# Altium PCB SJ2088POE.PcbDoc (part 1 of 6) (continued)
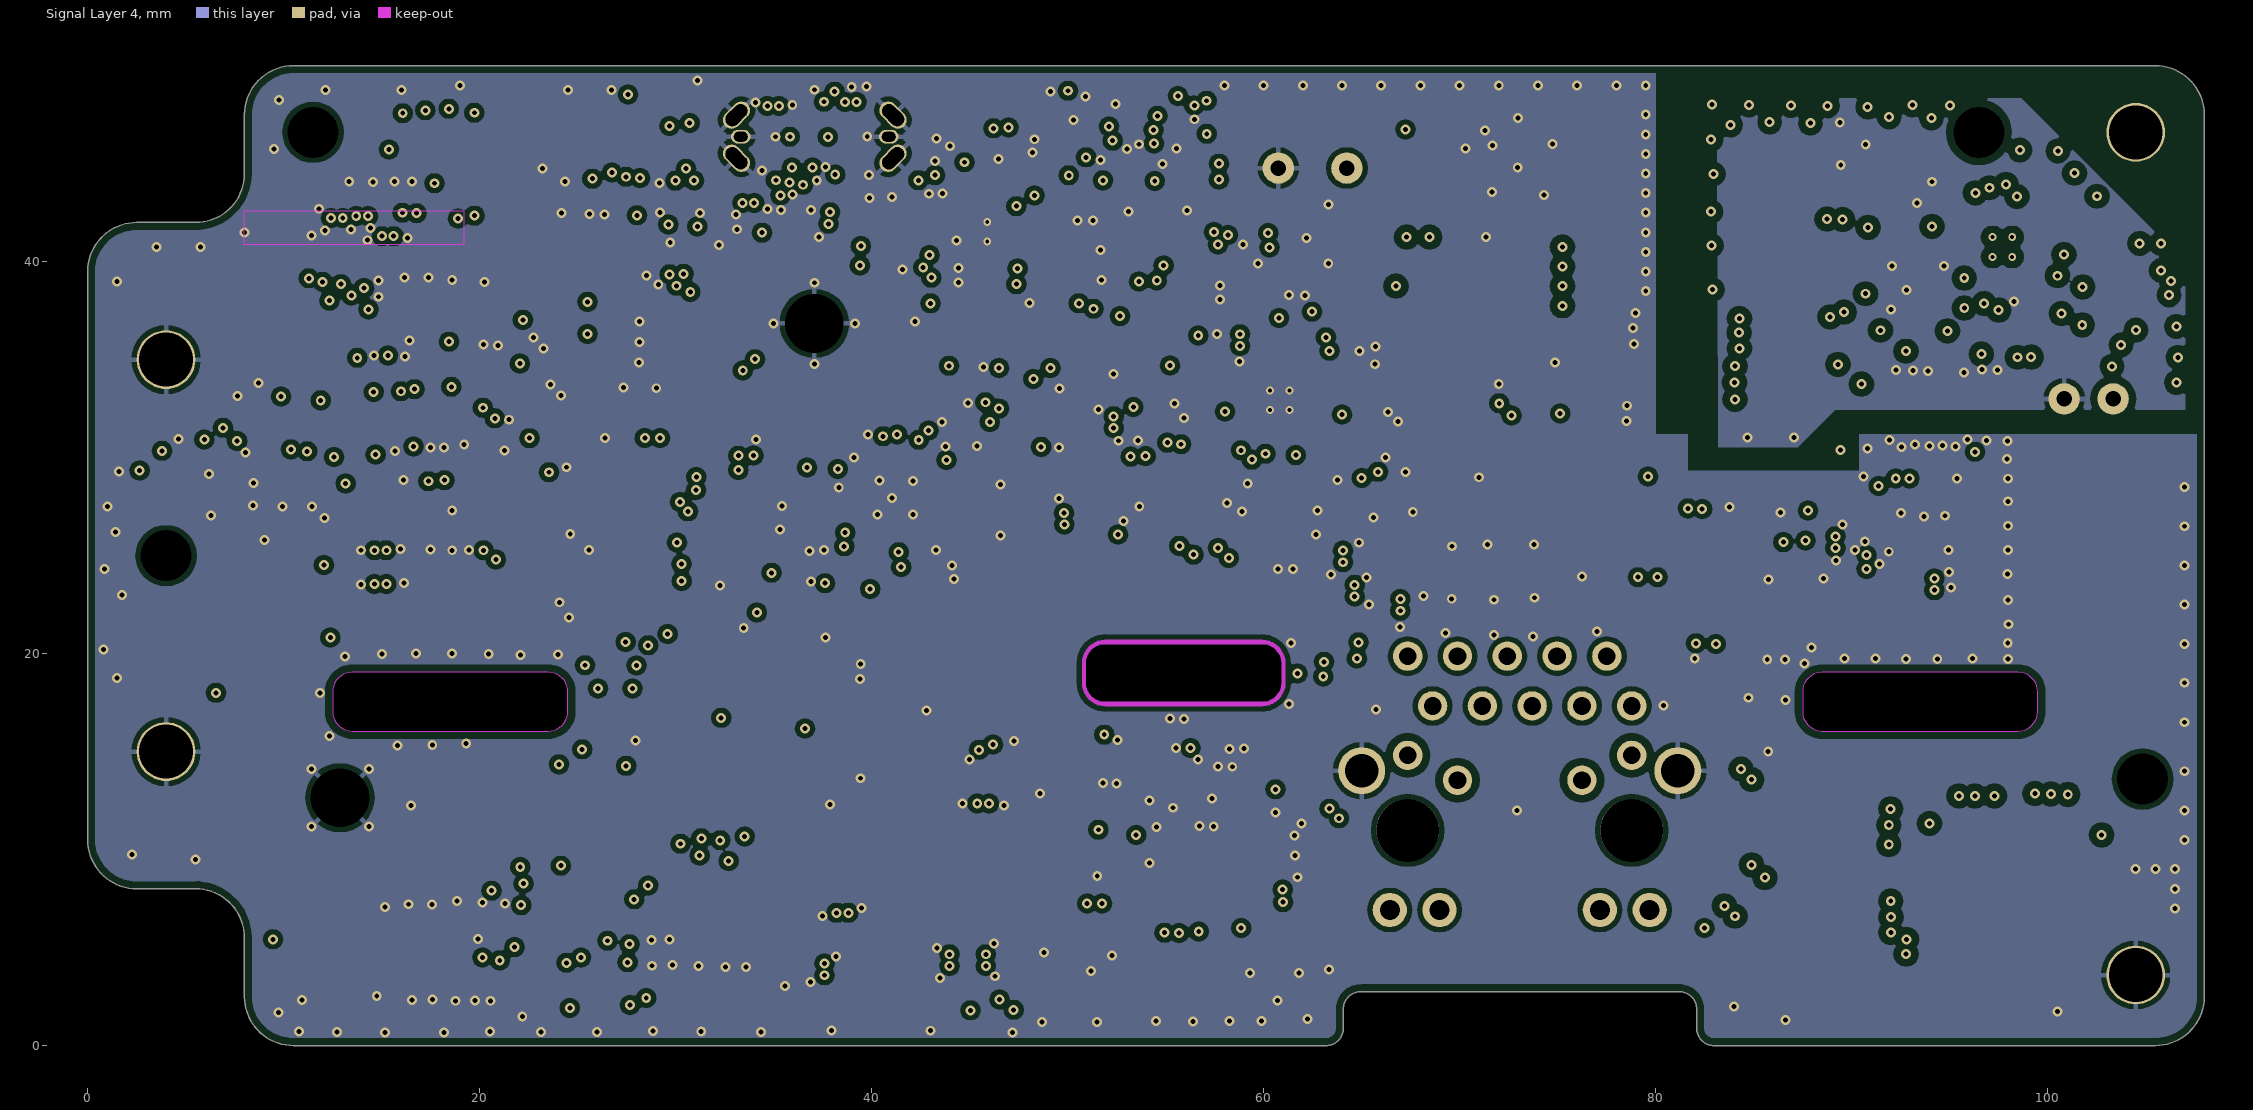
[diagram p5: Signal Layer 4]

## Layer stack, top to bottom
Top Mask: solder mask 0.015, Solder Resist, Dk 3.8
Top Copper: signal copper 0.035
Dielectric 1: prepreg 0.1, 2313, Dk 4.05
Signal Layer 1: signal copper 0.0175
Core 1: core 0.565, FR-4, Dk 4.5
Signal Layer 2: signal copper 0.0175
Dielectric 2: prepreg 0.127, 2116, Dk 4.25
Signal Layer 3: signal copper 0.0175
Core 2: core 0.565, FR-4, Dk 4.5
Signal Layer 4: signal copper 0.0175
Dielectric 3: prepreg 0.1, 2313, Dk 4.05
Bottom Copper: signal copper 0.035
Bottom Mask: solder mask 0.015, Solder Resist, Dk 3.8

## Board outline
2.5,8 5.5,8 cw(c5.5,5.5) 8,5.5 8,2.5 ccw(c10.5,2.5) 10.5,0 10.495,0 63.183,0 ccw(c63.183,0.887) 64.07,0.887 64.07,1.862 cw(c64.958,1.862) 64.958,2.749 81.211,2.749 cw(c81.211,1.862) 82.098,1.862 82.098,0.887 ccw(c82.986,0.887) 82.986,0 105.5,0 ccw(c105.5,2.5) 108,2.5 108,47.5 ccw(c105.5,47.5) 105.5,50 10.5,50 ccw(c10.5,47.5) 8,47.5 8,44.5 cw(c5.5,44.5) 5.5,42 2.5,42 ccw(c2.5,39.5) 0,39.5 0,10.5 ccw(c2.5,10.5)
cut-out: 23.5,16.05 ccw(c23.5,17.05) 24.5,17.05 24.5,18.05 ccw(c23.5,18.05) 23.5,19.05 13.5,19.05 ccw(c13.5,18.05) 12.5,18.05 12.5,17.05 ccw(c13.5,17.05) 13.5,16.05
cut-out: 98.5,16.05 ccw(c98.5,17.05) 99.5,17.05 99.5,18.05 ccw(c98.5,18.05) 98.5,19.05 88.5,19.05 ccw(c88.5,18.05) 87.5,18.05 87.5,17.048 ccw(c88.498,17.048) 88.498,16.05

## Design rules (kind name [scope] priority, off if disabled: settings)
AssemblyTestPointUsage [All] p1: valid=2
BoardOutlineClearance [All] p1: gap=0.381 ignorepadtopadclearanceinfootprint=FALSE
Clearance Diff_Pair_Spacing [(InDifferentialPairClass('All Differential Pairs'))] p1: gap=0.102 ignorepadtopadclearanceinfootprint=TRUE except(0.089: Via-Via; 0.254: SMDPad-Poly THPad-Poly Via-Poly; 0.508: Arc-Poly Track-Poly Fill-Poly Poly-Poly)
Clearance PoE [InNetClass('PoE')] p2: gap=0.254 ignorepadtopadclearanceinfootprint=TRUE except(0.102: Track-SMDPad; 0.203: Arc-Track Track-Track; 0.381: Arc-Poly Track-Poly SMDPad-Poly THPad-Poly Via-Poly Fill-Poly Poly-Poly)
Clearance general [All] p3: gap=0.102 ignorepadtopadclearanceinfootprint=FALSE except(0.254: Arc-Poly Track-Poly SMDPad-Poly THPad-Poly Via-Poly Fill-Poly Poly-Poly Poly-Region Poly-Text Poly-Hole)
ComponentClearance [All] p1: gap=0 collisioncheckmode=3 verticalgap=0 showdistances=FALSE
DiffPairsRouting 85ohm [InDifferentialPairClass('85ohm')] p1: maxlimit=0.254 minlimit=0.127 mostfreqgap=0.254 toplayer_maxgap=0.13 toplayer_prefgap=0.13 toplayer_minwidth=0.13 toplayer_maxwidth=0.139 toplayer_prefwidth=0.13 midlayer2_mingap=0.15 midlayer2_maxgap=0.15 midlayer2_prefgap=0.15 midlayer2_minwidth=0.131 midlayer2_maxwidth=0.131 midlayer2_prefwidth=0.131 bottomlayer_maxgap=0.13 bottomlayer_prefgap=0.13 bottomlayer_minwidth=0.13 bottomlayer_maxwidth=0.139 bottomlayer_prefwidth=0.13 impedanceprofiledriven=TRUE impedanceprofileid={86B41CE9-344F-4982-9283-744235B62342} impedanceprofilevalue=90.000000 maxuncoupledlength=12.7
DiffPairsRouting 90ohm [InDifferentialPairClass('USB3')] p2: maxlimit=0.254 minlimit=0.127 mostfreqgap=0.254 toplayer_maxgap=0.13 toplayer_prefgap=0.13 toplayer_minwidth=0.13 toplayer_maxwidth=0.139 toplayer_prefwidth=0.13 midlayer2_mingap=0.15 midlayer2_maxgap=0.15 midlayer2_prefgap=0.15 midlayer2_minwidth=0.131 midlayer2_maxwidth=0.131 midlayer2_prefwidth=0.131 bottomlayer_maxgap=0.13 bottomlayer_prefgap=0.13 bottomlayer_minwidth=0.13 bottomlayer_maxwidth=0.139 bottomlayer_prefwidth=0.13 impedanceprofiledriven=TRUE impedanceprofileid={86B41CE9-344F-4982-9283-744235B62342} impedanceprofilevalue=90.000000 maxuncoupledlength=12.7
DiffPairsRouting 100ohm [InDifferentialPairClass('100ohm')] p3: maxlimit=0.267 minlimit=0.127 mostfreqgap=0.254 toplayer_maxgap=0.195 toplayer_prefgap=0.195 toplayer_minwidth=0.105 toplayer_maxwidth=0.13 toplayer_prefwidth=0.13 midlayer2_mingap=0.18 midlayer2_prefgap=0.267 midlayer2_minwidth=0.11 midlayer2_maxwidth=0.13 midlayer2_prefwidth=0.13 bottomlayer_maxgap=0.195 bottomlayer_prefgap=0.195 bottomlayer_minwidth=0.105 bottomlayer_maxwidth=0.13 bottomlayer_prefwidth=0.13 impedanceprofiledriven=TRUE impedanceprofileid={980D49B1-4842-4C85-BE42-F6056FE0C244} impedanceprofilevalue=100.000000 maxuncoupledlength=12.7
FabricationTestPointUsage [All] p1: valid=2 allowmultiple=FALSE
HoleSize [All] p1: absolutevalues=TRUE maxlimit=3.81 minlimit=0.203 maxpercent=80.000 minpercent=20.000
HoleToHoleClearance [All] p1: gap=0.254 allowstackedmicrovias=FALSE
MatchedLengths USBD_XSIG [InxSignalClass('USBD')] p1: tolerance=1.27 checknetsindiffpair=TRUE checkdiffpairvsdiffpair=FALSE checkxsignals=FALSE checkothers=FALSE
MatchedLengths USBRX_XSIG [InxSignalClass('USBRX')] p2: tolerance=0.127 checknetsindiffpair=TRUE checkdiffpairvsdiffpair=FALSE checkxsignals=FALSE checkothers=FALSE
MatchedLengths USBTX_XSIG [InxSignalClass('USBTX')] p3: tolerance=0.127 checknetsindiffpair=TRUE checkdiffpairvsdiffpair=FALSE checkxsignals=FALSE checkothers=FALSE
MatchedLengths SPI [InNetClass('QSPI')] p4: tolerance=25.4 checknetsindiffpair=FALSE checkdiffpairvsdiffpair=TRUE checkxsignals=TRUE checkothers=TRUE usedelayunits=TRUE delaytolerance=10.000000
MatchedLengths SDIO [InNetClass('SDIO')] p5: tolerance=25.4 checknetsindiffpair=FALSE checkdiffpairvsdiffpair=TRUE checkxsignals=TRUE checkothers=TRUE usedelayunits=TRUE delaytolerance=10.000000
MatchedLengths MIPI_A [InNetClass('MIPI_CAM_A')] p6: tolerance=25.4 checknetsindiffpair=FALSE checkdiffpairvsdiffpair=TRUE checkxsignals=TRUE checkothers=TRUE usedelayunits=TRUE delaytolerance=1.000000
MatchedLengths MIPI_B [InNetClass('MIPI_CAM_B')] p7: tolerance=25.4 checknetsindiffpair=FALSE checkdiffpairvsdiffpair=TRUE checkxsignals=TRUE checkothers=TRUE usedelayunits=TRUE delaytolerance=1.000000
MatchedLengths MIPI_C [InNetClass('MIPI_CAM_C')] p8: tolerance=25.4 checknetsindiffpair=FALSE checkdiffpairvsdiffpair=TRUE checkxsignals=TRUE checkothers=TRUE usedelayunits=TRUE delaytolerance=1.000000
MatchedLengths DIFF_PAIR [(InDifferentialPairClass('100ohm') or InDifferentialPairClass('85ohm'))] p9: tolerance=0.127 checknetsindiffpair=TRUE checkdiffpairvsdiffpair=FALSE checkxsignals=FALSE checkothers=FALSE
MinimumSolderMaskSliver USB3_Connector [HasFootprint('105450-0101')  OR HasFootprint('CX80B1-24P') OR HasFootprint('TPD4E02B04DQAR')  OR HasFootprint('RTL8111HX-CG')] p1: minsoldermaskwidth=0.003
MinimumSolderMaskSliver RTL8111 [HasFootprint('CX80B1-24P')] p2: minsoldermaskwidth=0.003
MinimumSolderMaskSliver [All] p3: minsoldermaskwidth=0.076
PlaneConnect [All] p1: pad.planeconnectstyle=Relief pad.reliefexpansion=0.508 pad.reliefentries=4 pad.reliefconductorwidth=0.254 pad.reliefairgap=0.254 via.planeconnectstyle=Direct via.reliefexpansion=0.508 via.reliefentries=4 via.reliefconductorwidth=0.254 via.reliefairgap=0.254
PolygonConnect DirectConnect [InPolygonClass('DirectConnectPoly')] p1: connectstyle=Direct reliefconductorwidth=0.254 reliefentries=4 polygonreliefangle="90 Angle" airgapwidth=0.254
PolygonConnect OuterLayerGND_PolyClass [InPolygonClass('OuterLayerGND')] p2: thpad.connectstyle=Relief thpad.reliefconductorwidth=0.254 thpad.reliefentries=4 thpad.polygonreliefangle="90 Angle" thpad.airgapwidth=0.254 smdpad.connectstyle=Relief smdpad.reliefconductorwidth=0.254 smdpad.reliefentries=4 smdpad.polygonreliefangle="90 Angle" smdpad.airgapwidth=0.254 via.connectstyle=Direct via.reliefconductorwidth=0.254 via.reliefentries=4 via.polygonreliefangle="90 Angle" via.airgapwidth=0.254
PolygonConnect PoE_Poly [InPolygonClass('PoE_Poly')] p3: thpad.connectstyle=Direct thpad.reliefconductorwidth=0.254 thpad.reliefentries=4 thpad.polygonreliefangle="90 Angle" thpad.airgapwidth=0.254 smdpad.connectstyle=Relief smdpad.reliefconductorwidth=0.254 smdpad.reliefentries=4 smdpad.polygonreliefangle="90 Angle" smdpad.airgapwidth=0.254 via.connectstyle=Direct via.reliefconductorwidth=0.254 via.reliefentries=4 via.polygonreliefangle="90 Angle" via.airgapwidth=0.254
PolygonConnect Default [All] p4: thpad.connectstyle=Relief thpad.reliefconductorwidth=0.254 thpad.reliefentries=4 thpad.polygonreliefangle="90 Angle" thpad.airgapwidth=0.254 smdpad.connectstyle=Relief smdpad.reliefconductorwidth=0.254 smdpad.reliefentries=4 smdpad.polygonreliefangle="90 Angle" smdpad.airgapwidth=0.254 via.connectstyle=Direct via.reliefconductorwidth=0.254 via.reliefentries=4 via.polygonreliefangle="90 Angle" via.airgapwidth=0.254
RoutingLayers [All] p1: top layer_v5=TRUE mid layer 1_v5=TRUE mid layer 2_v5=TRUE mid layer 3_v5=FALSE mid layer 4_v5=FALSE bottom layer_v5=TRUE
RoutingVias [All] p1: holewidth=0.254 width=0.508 viastyle="Through Hole" minholewidth=0.203 minwidth=0.406 maxholewidth=25.4 maxwidth=25.4 viatemplateguid#1={A1903244-CB7C-4A2A-95EA-261E7733D27A} viatemplatename#1=v41h20m0mx0
SilkToSilkClearance [All] p1: silktosilkclearance=0.025
SilkToSolderMaskClearance SilkscreenOverComponentException [InComponent('U15')] p1: minsilkscreentomaskgap=0.076 clearancetoexposedcopper=TRUE
SilkToSolderMaskClearance SilkscreenOverComponentPads [IsPad] p2: minsilkscreentomaskgap=0.127 clearancetoexposedcopper=TRUE
SolderMaskExpansion [All] p1: expansion=0.051 istentingtop=FALSE
UnRoutedNet [All] p1: checkbadconnections=TRUE
Width "Schematic Width Constraint_1" [InNetClass('PoE')] p1: maxlimit=1.27 minlimit=0.102 preferedwidth=0.381
Width [All] p2: maxlimit=2.54 minlimit=0.102 preferedwidth=0.127
18 further rules are at their usual default settings.

## Classes and differential pairs
component class U_SJ2088POE_RIGHT_OV9282: C84 C85 C86 C87 C88 C89 FB7 FB8 FB9 J9 R81 R82 TP18
component class U_SJ2088POE_LEFT_OV9282: C78 C79 C80 C81 C82 C83 FB4 FB5 FB6 J10 R71 R72 R75 R77 R80
component class U_SJ2088POE_IMX378: C69 C70 C71 C72 C75 C77 FB10 FB11 FB12 J6 R70
component class U_SJ2088POE_IMU: C90 C91 C92 C93 C94 C95 C96 R83 R84 R85 R86 TP19 TP25 TP26 U12 Y1
polygon class PoE_Poly: VNEG_IN_L01_P432 VNEG_L01_P434 VNEG_L04_P456 VPOS_IN_L01_P431
polygon class DirectConnectPoly: 3V3_L01_P426 NETC6_2_L04_P452 PCIE_1V0_L01_P427 REGOUT_L01_P428 VNEG_IN_L04_P448 VPOS_IN_L04_P447 VPOS_IN_L04_P449
net class Power_trace: 1V2_L 1V2_R 1V05_IMX378 1V8_IMX378 1V8_L 1V8_R 2V8_IMX378 2V8_L 2V8_R 3V3 5V_PoE VBUS VDD_5V
component class U_POWER_GEN: C56 C57 C58 C59 C60 C61 C62 C63 C64 C65 C66 C67 C68 L3 R51 R52 R68 R69 TP3 TP4 TP14 TP15 TP16 TP17 TP20 TP21 TP22 TP23 TP24 U8 U9 U10 U11 U13 U14 U15
net class PoE: CT1 CT2 NetC6_2 SP1 SP2 SWO VNEG VNEG_IN VPOS VPOS_IN VSEC VSS
component class TopLevel: FID1 FID2 FID3 FID4 FID5 FID6 MH1 MH2 MP1 MP2 MP3 MP4
differential pair class USB3: RXB RXC TXB TXB1 TXC TXC1 USB_D USB_RX USB_TX
net class USB: USB_D_N USB_D_P USB_RX_N USB_RX_P USB_TX_N USB_TX_P
net class SDIO: sd_hst0_clk sd_hst0_cmd sd_hst0_dat_0 sd_hst0_dat_1 sd_hst0_dat_2 sd_hst0_dat_3
net class QSPI: BNO08x_CIPO_1V8 BNO08x_COPI_1V8 BNO08x_CS_1V8 BNO08x_SCK_1V8
net class MIPI_CAM_C: MIPI_RX3_C_N MIPI_RX3_C_P MIPI_RX3_D0_N MIPI_RX3_D0_P MIPI_RX3_D1_N MIPI_RX3_D1_P
net class MIPI_CAM_B: MIPI_RX2_C_N MIPI_RX2_C_P MIPI_RX2_D0_N MIPI_RX2_D0_P MIPI_RX2_D1_N MIPI_RX2_D1_P
net class MIPI_CAM_A: MIPI_RX4_C_N MIPI_RX4_C_P MIPI_RX4_D0_N MIPI_RX4_D0_P MIPI_RX4_D1_N MIPI_RX4_D1_P MIPI_RX5_D0_N MIPI_RX5_D0_P MIPI_RX5_D1_N MIPI_RX5_D1_P
component class U_RJ45: C10 C12 C13 C14 C15 C16 C17 C50 C54 D8 D9 D10 D11 D12 D13 D14 D15 D16 D17 D18 J1 R57 R58 R59
component class U_ETH_PCIE_PHY: C21 C34 C35 C36 C37 C38 C39 C40 C41 C42 C43 C44 C45 C46 C47 C48 C49 C51 C52 C53 L2 Q1 R28 R29 R46 R47 R48 R49 R50 U4 U6 X1
component class U_SJ2088POE_USB: C73 C74 C76 C97 C207 C208 C209 C211 C212 J14 R31 R32 R183 R185 R186 R187 R190 R213 R214 RZ28 RZ29 TP40 TP41 TP42 TP43 TP44 U61 U62
differential pair class 100ohm: BRIDGE_REFCLK BRIDGE_REFCLK1 MD1 MD1_1 MD2 MD2_1 MD3 MD3_1 MD4 MD4_1 MIPI_RX2_C MIPI_RX2_D0 MIPI_RX2_D1 MIPI_RX3_C MIPI_RX3_D0 MIPI_RX3_D1 MIPI_RX4_C MIPI_RX4_D0 MIPI_RX4_D1 MIPI_RX5_D0 MIPI_RX5_D1 SDS_IO_CLKI SDS_IO_CLKI1 SDS_RXD SDS_RXD1 SDS_TXD
component class U_PCIE_CLK: C18 C19 C20 C27 C28 C29 C30 C31 C32 FB1 OS1 R6 R25 R26 R30 R33 R34 R35 R36 R37 R38 R39 R40 R41 R42 R43 R44 R45 R64 R65 RZ1 RZ2 U3 U7
component class U_CONNECTOR_B: J3 q R27
component class U_CONNECTOR_A: B1 J2 TP27 TP28 TP29 TP30
component class U_BOOT_JTAG_AUX: C55 D3 D6 D7 J4 J5 J7 Q2 Q3 Q4 R1 R2 R7 R9 R16 R19 R20 R21 R22 R23 R53 R54 R55 R56 R60 R61 R62 R63 R66 R67 SW1 TP1 TP2
net class ETH: MD1_N MD1_P MD2_N MD2_P MD3_N MD3_P MD4_N MD4_P
component class U_PoE_Si3404: C1 C2 C3 C4 C5 C6 C7 C8 C9 C11 C22 C23 C24 C25 C26 C33 D2 D4 D5 FB2 FB3 L1 R3 R4 R5 R8 R10 R11 R12 R13 R14 R15 R17 R18 R24 T1 TP5 TP6 TP8 TP9 TP10 TP11 TP12 TP13 U1 U2 U5
differential pair SDS_RXD1: +SDS_RXD1_P -SDS_RXD1_N
differential pair SDS_IO_CLKI1: +SDS_IO_CLKI1_P -SDS_IO_CLKI1_N
differential pair BRIDGE_REFCLK1: +BRIDGE_REFCLK1_P -BRIDGE_REFCLK1_N
differential pair USB_TX: +USB_TX_P -USB_TX_N
differential pair TXC: +TXC_P -TXC_N
differential pair TXC1: +TXC1_P -TXC1_N
differential pair TXB: +TXB_P -TXB_N
differential pair TXB1: +TXB1_P -TXB1_N
differential pair RXC: +RXC_P -RXC_N
differential pair RXB: +RXB_P -RXB_N
differential pair BRIDGE_REFCLK: +BRIDGE_REFCLK_P -BRIDGE_REFCLK_N
differential pair USB_RX: +USB_RX_P -USB_RX_N
differential pair USB_D: +USB_D_P -USB_D_N
differential pair SDS_TXD: +SDS_TXD_P -SDS_TXD_N
differential pair SDS_RXD: +SDS_RXD_P -SDS_RXD_N
differential pair SDS_IO_CLKI: +SDS_IO_CLKI_P -SDS_IO_CLKI_N
differential pair MIPI_RX5_D1: +MIPI_RX5_D1_P -MIPI_RX5_D1_N
differential pair MIPI_RX5_D0: +MIPI_RX5_D0_P -MIPI_RX5_D0_N
differential pair MIPI_RX4_D1: +MIPI_RX4_D1_P -MIPI_RX4_D1_N
differential pair MIPI_RX4_D0: +MIPI_RX4_D0_P -MIPI_RX4_D0_N
differential pair MIPI_RX4_C: +MIPI_RX4_C_P -MIPI_RX4_C_N
differential pair MIPI_RX3_D1: +MIPI_RX3_D1_P -MIPI_RX3_D1_N
differential pair MIPI_RX3_D0: +MIPI_RX3_D0_P -MIPI_RX3_D0_N
differential pair MIPI_RX3_C: +MIPI_RX3_C_P -MIPI_RX3_C_N
differential pair MIPI_RX2_D1: +MIPI_RX2_D1_P -MIPI_RX2_D1_N
differential pair MIPI_RX2_D0: +MIPI_RX2_D0_P -MIPI_RX2_D0_N
differential pair MIPI_RX2_C: +MIPI_RX2_C_P -MIPI_RX2_C_N
differential pair MD4: +MD4_P -MD4_N
differential pair MD3: +MD3_P -MD3_N
differential pair MD2: +MD2_P -MD2_N
differential pair MD1: +MD1_P -MD1_N

## Components (designator, comment, footprint, x,y, rotation, side; value= is the part's Value field where it differs from the comment)
B1 "Off-Mom, 50mA" DTSM-32N-V 26.672,13.5 r270 bottom
C1 "1uF 1210" CAPC1210(3225)280_N 93.15,34.95 r90 top
C2 "12uF 6.3mm" EEU-FC2A120 102.1,33 r180 top
C3 "1uF 1210" CAPC1210(3225)280_N 96.625,34.95 r90 top
C4 "0.1UF 0805" CAPC0805(2012)145_N 88.443,35.832 r0 bottom
C5 "1nF 0603 C0G" CAPC0603(1608)100_N 72.918,42.226 r0 bottom
C6 "100uF 1206" CAPC1206(3216)190_N 64.75,41.25 r0 bottom
C7 "1000uF 8mm" ECA-0JM102 62.5,44.775 r180 top
C8 "0.1UF 0805" CAPC0805(2012)145_N 102.6,21.924 r180 top
C9 "22NF 0603" CAPC0603(1608)100_N 69.5,46.75 r180 top
C10 "1nF 0402" CAPC0402(1005)60_N 88.375,3.825 r0 bottom
C11 "1uF 0402" CAPC0402(1005)70_N 94.1,42.85 r270 top
C12 "1nF 0402" CAPC0402(1005)60_N 88.375,14 r0 bottom
C13 "1nF 0402" CAPC0402(1005)60_N 88.375,14.01 r0 top
C14 "1nF 0402" CAPC0402(1005)60_N 93.629,9.55 r270 top
C15 "1nF 0402" CAPC0402(1005)60_N 102.747,8.991 r270 top
C16 "1nF 0402" CAPC0402(1005)60_N 93.629,9.55 r270 bottom
C17 "1nF 0402" CAPC0402(1005)60_N 102.747,8.991 r270 bottom
C18 "0.1uF 0402" CAPC0402(1005)70_N 33.6,24.05 r0 bottom
C19 "0.1uF 0402" CAPC0402(1005)70_N 34.775,30.505 r270 bottom
C20 "0.1uF 0402" CAPC0402(1005)70_N 41.428,37.14 r90 bottom
C21 "4.7uF 0603" CAPC0603(1608)100_N 54.204,31.718 r0 top
C22 "0.1uF 0402" CAPC0402(1005)60_N 99.35,37.184 r0 top
C23 "2.2nF 0603" CAPC0603(1608)100_N 80,27.75 r180 bottom
C24 "10nF 0402" CAPC0402(1005)60_N 93.15,36.925 r0 bottom
C25 "1nF 1206" CAPC1206(3216)190_N 81.55,36.525 r180 bottom
C26 "1nF 1206" CAPC1206(3216)190_N 81.425,33.9 r180 bottom
C27 "0.1uF 0402" CAPC0402(1005)70_N 44.6,30.175 r90 top
C28 "0.1uF 0402" CAPC0402(1005)70_N 37.3,26.05 r180 top
C29 "0.1uF 0402" CAPC0402(1005)70_N 42.813,24.527 r0 top
C30 "0.1uF 0402" CAPC0402(1005)70_N 37.488,28.953 r270 top
C31 "0.1uF 0402" CAPC0402(1005)70_N 44.925,35.475 r0 bottom
C32 "10uF 0402" CAPC0402(1005)70_N 35.904,28.979 r90 top
C33 "0.1UF 0805" CAPC0805(2012)145_N 101.507,14.495 r180 top
C34 "0.1uF 0402" CAPC0402(1005)70_N 56.936,31.304 r0 top
C35 "0.1uF 0201" CAPC0201(0603)33_L 57.1,35.55 r0 top
C36 "4.7uF 0603" CAPC0603(1608)100_N 56.85,26.7 r180 top
C37 "0.1uF 0402" CAPC0402(1005)70_N 54.075,26.7 r0 top
C38 "4.7uF 0603" CAPC0603(1608)100_N 66.8,28.3 r180 top
C39 "4.7uF 0603" CAPC0603(1608)100_N 59.514,38.438 r0 top
C40 "0.1uF 0402" CAPC0402(1005)70_N 64.75,30.075 r180 top
C41 "0.1uF 0402" CAPC0402(1005)70_N 61.681,37.079 r270 top
C42 "0.1uF 0402" CAPC0402(1005)70_N 65.11,32.025 r180 top
C43 "0.1uF 0402" CAPC0402(1005)70_N 64.385,34.633 r180 top
C44 "0.1uF 0402" CAPC0402(1005)70_N 56.748,32.767 r0 top
C45 "0.1uF 0402" CAPC0402(1005)70_N 62.545,29.225 r180 top
C46 "1uF 0402" CAPC0402(1005)70_N 63.5,27.5 r90 top
C47 "1uF 0402" CAPC0402(1005)70_N 64.428,36.232 r180 top
C48 "27pF 0402" CAPC0402(1005)60_N 59.623,27.925 r0 top
C49 "27pF 0402" CAPC0402(1005)60_N 61.773,27.925 r180 top
C50 "0.1UF 0805" CAPC0805(2012)145_N 72.925,13.975 r90 bottom
C51 "0.1uF 0201" CAPC0201(0603)33_L 57.102,34.892 r0 top
C52 "0.1uF 0402" CAPC0402(1005)70_N 49.55,31.3 r180 bottom
C53 "0.1uF 0402" CAPC0402(1005)70_N 45.5,33.575 r0 bottom
C54 "1nF 0402" CAPC0402(1005)60_N 88.375,3.8 r0 top
C55 "4.7uF 0603" CAPC0603(1608)100_N 51.25,5.5 r90 top
C56 "22uF 0603" CAPC0603(1608)100_N 49.211,44.902 r270 top
C57 "22uF 0603" CAPC0603(1608)100_N 48.45,47.8 r0 top
C58 "10nF 0402" CAPC0402(1005)60_N 43.985,44.658 r270 top
C59 "10uF 0603" CAPC0603(1608)100_N 41.625,42.3 r0 top
C60 "10uF 0603" CAPC0603(1608)100_N 44.7,37.975 r180 top
C61 "22uF 0603" CAPC0603(1608)100_L 50.945,43.775 r90 top
C62 "22uF 0603" CAPC0603(1608)100_L 51.045,46.896 r270 top
C63 "10uF 0603" CAPC0603(1608)100_L 56.275,44.961 r0 top
C64 "10uF 0603" CAPC0603(1608)100_L 58.225,39.875 r180 top
C65 "10uF 0603" CAPC0603(1608)100_L 53.192,45.054 r0 top
C66 "10uF 0603" CAPC0603(1608)100_L 53.1,39.85 r0 top
C67 "10uF 0603" CAPC0603(1608)100_L 49.005,42.5 r180 top
C68 "22uF 0603" CAPC0603(1608)100_L 45.95,39.6 r0 top
C69 "0.1uF 0402" CAPC0402(1005)70_L 59.6,12 r180 top
C70 "10uF 0603" CAPC0603(1608)100_L 60,10.75 r180 top
C71 "0.1uF 0402" CAPC0402(1005)70_L 57.6,11.9 r0 top
C72 "10uF 0603" CAPC0603(1608)100_L 57.6,10.3 r0 top
C73 "10uF 0402" CAPC0402(1005)70_N 36.175,47.6 r270 top
C74 "10uF 0402" CAPC0402(1005)70_N 25.004,35.557 r0 bottom
C75 "0.1uF 0402" CAPC0402(1005)70_L 55.626,11.379 r0 top
C76 "10uF 0402" CAPC0402(1005)70_N 16.24,31.329 r0 bottom
C77 "10uF 0603" CAPC0603(1608)100_L 55.015,10.224 r0 top
C78 "0.1uF 0402" CAPC0402(1005)70_L 24.1,23.729 r90 bottom
C79 "10uF 0603" CAPC0603(1608)100_L 25.3,23.379 r90 bottom
C80 "0.1uF 0402" CAPC0402(1005)70_L 23.842,26.429 r90 bottom
C81 "10uF 0603" CAPC0603(1608)100_L 25.55,26.779 r90 bottom
C82 "0.1uF 0402" CAPC0402(1005)70_L 25.175,29.106 r270 bottom
C83 "10uF 0603" CAPC0603(1608)100_L 26.388,29.505 r270 bottom
C84 "0.1uF 0402" CAPC0402(1005)70_L 87.9,21.575 r90 top
C85 "10uF 0603" CAPC0603(1608)100_L 86.625,21.225 r90 top
C86 "0.1uF 0402" CAPC0402(1005)70_L 87.842,24.251 r90 top
C87 "10uF 0603" CAPC0603(1608)100_L 86.75,24 r90 top
C88 "0.1uF 0402" CAPC0402(1005)70_L 87,26.75 r270 top
C89 "10uF 0603" CAPC0603(1608)100_L 85.531,26.588 r270 top
C90 "10uF 0603" CAPC0603(1608)100_L 8.75,32.25 r270 bottom
C91 "0.1uF 0402" CAPC0402(1005)70_L 7.653,31.95 r270 bottom
C92 "10uF 0603" CAPC0603(1608)100_L 2.306,30.302 r0 bottom
C93 "0.1uF 0402" CAPC0402(1005)70_L 5,30.25 r0 bottom
C94 "0.1uF 0402" CAPC0402(1005)70_L 12.382,28.066 r270 bottom
C95 "18pF 0201" CAPC0201(0603)33_L 5.543,27.349 r90 bottom
C96 "18pF 0201" CAPC0201(0603)33_L 5.543,28.849 r270 bottom
C97 "1uF 0402" CAPC0402(1005)70_N 17.491,33.202 r270 top
C207 "10uF 0402" CAPC0402(1005)70_N 37.675,43.275 r0 bottom
C208 "0.1uF 0201" CAPC0201(0603)33_L 30.5,35.174 r180 bottom
C209 "0.1uF 0201" CAPC0201(0603)33_L 30.5,35.774 r180 bottom
C211 "0.1uF 0201" CAPC0201(0603)33_L 30.5,37.174 r180 bottom
C212 "0.1uF 0201" CAPC0201(0603)33_L 30.5,37.774 r180 bottom
D2 "1N4148W" 1N4148W-7-F 92.58,42.527 r90 bottom
D3 "ORANGE 0603" SML_D1xx8W 40.75,21 r270 bottom
D4 "RS1B" RS1B 87.223,40.425 r90 bottom
D5 "PDS1040" PDS1040-13 71.126,39 r0 bottom
D6 "RED 0603" SML_D1xx8W 45.75,21 r90 bottom
D7 "ORANGE 0603" SML_D1xx8W 36.75,21 r90 bottom
D8 "SS2150-L" SB1 100.2,9.3 r90 bottom
D9 "SS2150-L" SB1 96.2,9.3 r90 bottom
D10 "SS2150-L" SB1 100.2,9.3 r90 top
D11 "SS2150-L" SB1 96.2,9.3 r90 top
D12 "SS2150-L" SB1 88.425,11.275 r180 top
D13 "SS2150-L" SB1 88.425,11.275 r180 bottom
D14 "SS2150-L" SB1 88.498,6.553 r180 top
D15 "S1B" SB1 88.525,6.55 r180 bottom
D16 "GREEN 0603" SML_D1xx8W 68.75,29.75 r180 bottom
D17 "TPD4E02B04DQAR" TPD4E02B04DQAR 69.6,23.975 r0 top
D18 "TPD4E02B04DQAR" TPD4E02B04DQAR 73.825,24.008 r0 top
FB1 "80R/100MHz" BK1608HS800-T_N 42.1,35.425 r0 bottom
FB2 "700R/150Mhz" 742792040 101.373,17.95 r90 top
FB3 "700R/150Mhz" 742792040 103.673,17.95 r90 top
FB4 "600R/100MHz" 2508056017Y2 28.8,29.029 r180 bottom
FB5 "600R/100MHz" 2508056017Y2 28.1,26.829 r180 bottom
FB6 "600R/100MHz" 2508056017Y2 28.15,24.079 r180 bottom
FB7 "600R/100MHz" 2508056017Y2 82.75,26.25 r0 top
FB8 "600R/100MHz" 2508056017Y2 82.3,23.9 r0 top
FB9 "600R/100MHz" 2508056017Y2 84,21.75 r0 top
FB10 "600R/100MHz" 2508056017Y2 55.425,7.8 r90 top
FB11 "600R/100MHz" 2508056017Y2 57.7,7.8 r90 top
FB12 "600R/100MHz" 2508056017Y2 59.75,8.25 r90 top
FID1 "FIDUCIAL_ROUND_1MM" FIDUCIAL_ROUND_1MM 99.619,47.071 r180 top
FID2 "FIDUCIAL_ROUND_1MM" FIDUCIAL_ROUND_1MM 14.25,48.5 r180 top
FID3 "FIDUCIAL_ROUND_1MM" FIDUCIAL_ROUND_1MM 3,20.75 r0 top
FID4 "FIDUCIAL_ROUND_1MM" FIDUCIAL_ROUND_1MM 97.25,2.5 r90 bottom
FID5 "FIDUCIAL_ROUND_1MM" FIDUCIAL_ROUND_1MM 99.619,47.071 r90 bottom
FID6 "FIDUCIAL_ROUND_1MM" FIDUCIAL_ROUND_1MM 3,20.75 r90 bottom
J1 "802.3af PoE" TRJG0926HENL 73.07,10.981 r0 top
J2 "BW2098_A Receptacle" DF40HC-3.0-100DS-0.4V_minpad 24.975,4.75 r270 top